# KiCad board PCB.kicad_pcb (continued)
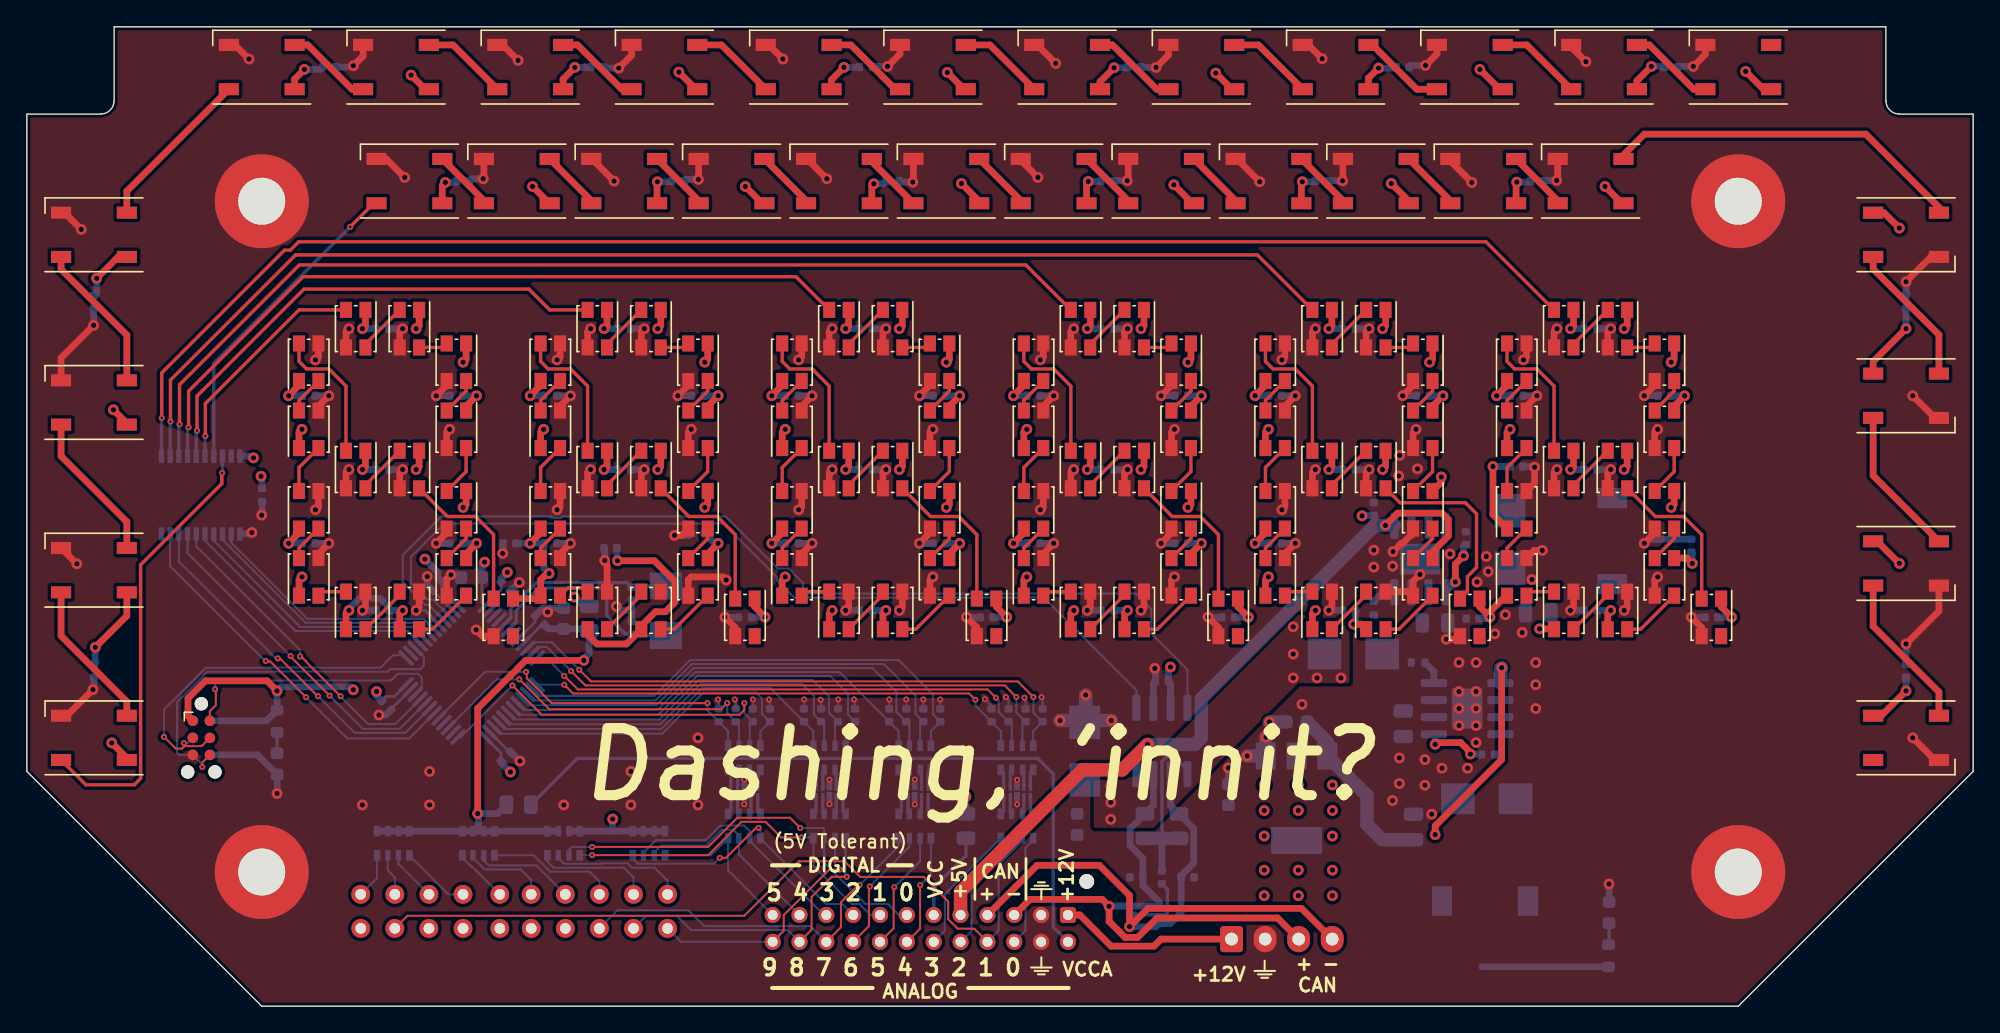
[diagram p0: board, top side]
## Footprints (pads in the part's own frame, mm; a bottom-side part is the same pattern mirrored in y, then rotated) (continued)
TestPoint_2Pads_Pitch2.54mm_Drill0.8mm
  round 1.4 hole 0.8: 1(0,0) 2(2.54,0)
XL-3528RGBW-WS2812B
  rect 1.2x0.9 smd: 1(-1.4,0.725) 2(1.4,0.725) 3(1.4,-0.725) 4(-1.4,-0.725)

## Nets
+3.3VA: C11.1 C12.1 FB1.2 R8.1 RN13.5 RN13.6 RN13.7 RN13.8 RN16.5 RN16.6 RN16.7 RN16.8 RN19.5 RN19.6 U4.9
+3V3: C5.1 C6.1 C7.1 C8.1 C9.1 C10.1 C17.1 FB1.1 J1.1 J3.1 R4.1 R7.1 RN19.7 RN19.8 RN22.5 RN22.6 RN22.7 RN22.8 U1.2 U4.1 U4.24 U4.36 U4.48 U5.3
+5V: C1.1 C2.1 C3.1 C4.1 C13.1 C20.1 C21.1 C22.1 C23.1 C24.1 C25.1 C42.1 C43.1 C44.1 C45.1 C46.1 C47.1 C48.1 C99.1 D3.1 D4.1 D8.1 D9.1 D10.1 D11.1 D12.1 D13.1 D14.1 D15.1 D16.1 D17.1 D18.1 D19.1 D20.1 D21.1 D22.1 D24.1 D25.1 D26.1 D27.1 D28.1 D29.1 D30.1 D31.1 D32.1 D33.1 D34.1 D35.1 D36.1 D37.1 DD23.1 L1.2 R3.1 U1.3 U2.5 U3.20
+5VE: C49.1 C50.1 C51.1 C52.1 C53.1 C54.1 C55.1 C56.1 C57.1 C58.1 C59.1 C60.1 C61.1 C62.1 C63.1 C64.1 C65.1 C66.1 C67.1 C68.1 C69.1 C70.1 C71.1 C72.1 C73.1 C74.1 C75.1 C76.1 C77.1 C78.1 C79.1 C80.1 C81.1 C82.1 C83.1 C84.1 C85.1 C86.1 C87.1 C88.1 C89.1 C90.1 C91.1 C92.1 C93.1 C94.1 C95.1 C96.1 C102.1 D38.1 D39.1 D40.1 D41.1 D42.1 D43.1 D44.1 D45.1 D46.1 D47.1 D48.1 D49.1 D50.1 D51.1 D52.1 D53.1 D54.1 D55.1 D56.1 D57.1 D58.1 D59.1 D60.1 D61.1 D62.1 D63.1 D64.1 D65.1 D66.1 D67.1 D68.1 D69.1 D70.1 D71.1 D72.1 D73.1 D74.1 D75.1 D76.1 D77.1 D78.1 D79.1 D80.1 D81.1 D82.1 D83.1 D84.1 D85.1 D86.1 D87.1 D88.1 D89.1 D90.1 D91.1 D92.1 D93.1 D94.1 D95.1 D96.1 D97.1 D98.1 D99.1 D100.1 D101.1 D102.1 D103.1 D104.1 D105.1 D106.1 D107.1 D108.1 D109.1 D110.1 D111.1 D112.1 D113.1 D114.1 D115.1 D116.1 D117.1 D118.1 D119.1 D120.1 D121.1 D122.1 D123.1 D124.1 D125.1 D126.1 D127.1 J2.9 L2.2 U6.5
+12V: F1.1 J2.1 J4.1
+12V_Fused: C97.1 C100.1 D2.1 R1.1 R2.1 U2.2 U2.3 U6.2 U6.3
GND: C1.2 C2.2 C3.2 C4.2 C5.2 C6.2 C7.2 C8.2 C9.2 C10.2 C11.2 C12.2 C13.2 C14.2 C15.2 C16.1 C17.2 C19.2 C20.2 C21.2 C22.2 C23.2 C24.2 C25.2 C26.2 C27.2 C28.2 C29.2 C30.2 C31.2 C32.2 C33.2 C34.2 C35.2 C36.2 C37.2 C38.2 C39.2 C40.2 C41.2 C42.2 C43.2 C44.2 C45.2 C46.2 C47.2 C48.2 C49.2 C50.2 C51.2 C52.2 C53.2 C54.2 C55.2 C56.2 C57.2 C58.2 C59.2 C60.2 C61.2 C62.2 C63.2 C64.2 C65.2 C66.2 C67.2 C68.2 C69.2 C70.2 C71.2 C72.2 C73.2 C74.2 C75.2 C76.2 C77.2 C78.2 C79.2 C80.2 C81.2 C82.2 C83.2 C84.2 C85.2 C86.2 C87.2 C88.2 C89.2 C90.2 C91.2 C92.2 C93.2 C94.2 C95.2 C96.2 C97.2 C99.2 C100.2 C102.2 D1.1 D3.3 D4.3 D5.1 D6.1 D8.3 D9.3 D10.3 D11.3 D12.3 D13.3 D14.3 D15.3 D16.3 D17.3 D18.3 D19.3 D20.3 D21.3 D22.3 D24.3 D25.3 D26.3 D27.3 D28.3 D29.3 D30.3 D31.3 D32.3 D33.3 D34.3 D35.3 D36.3 D37.3 D38.3 D39.3 D40.3 D41.3 D42.3 D43.3 D44.3 D45.3 D46.3 D47.3 D48.3 D49.3 D50.3 D51.3 D52.3 D53.3 D54.3 D55.3 D56.3 D57.3 D58.3 D59.3 D60.3 D61.3 D62.3 D63.3 D64.3 D65.3 D66.3 D67.3 D68.3 D69.3 D70.3 D71.3 D72.3 D73.3 D74.3 D75.3 D76.3 D77.3 D78.3 D79.3 D80.3 D81.3 D82.3 D83.3 D84.3 D85.3 D86.3 D87.3 D88.3 D89.3 D90.3 D91.3 D92.3 D93.3 D94.3 D95.3 D96.3 D97.3 D98.3 D99.3 D100.3 D101.3 D102.3 D103.3 D104.3 D105.3 D106.3 D107.3 D108.3 D109.3 D110.3 D111.3 D112.3 D113.3 D114.3 D115.3 D116.3 D117.3 D118.3 D119.3 D120.3 D121.3 D122.3 D123.3 D124.3 D125.3 D126.3 D127.3 D128.2 D129.2 DD23.3 H1.1 H2.1 H3.1 H4.1 J1.5 J2.3 J2.4 J3.5 J4.2 U1.1 U2.7 U2.9 U3.1 U3.10 U3.19 U4.8 U4.23 U4.35 U4.44 U4.47 U5.2 U5.8 U6.7 U6.9 U17.3 U17.8 U18.3 U18.8 U19.3 U19.8 U20.3 U20.8
/IO/BTN_0_PIN: J2.13 RN19.2 RN20.7
/IO/BTN_1_PIN: J2.15 RN19.1 RN20.8
/IO/BTN_2_PIN: J2.17 RN22.4 RN23.5
/IO/BTN_3_PIN: J2.19 RN22.3 RN23.6
/IO/BTN_4_PIN: J2.21 RN22.2 RN23.7
/IO/BTN_5_PIN: J2.23 RN22.1 RN23.8
/IO/DIAL0_PIN: J2.6 JP1.2 RN14.5
/IO/DIAL1_PIN: J2.8 JP2.2 RN14.6
/IO/DIAL2_PIN: J2.10 JP3.2 RN14.7
/IO/DIAL3_PIN: J2.12 JP4.2 RN14.8
/IO/DIAL4_PIN: J2.14 JP5.2 RN17.5
/IO/DIAL5_PIN: J2.16 JP6.2 RN17.6
/IO/DIAL6_PIN: J2.18 JP7.2 RN17.7
/IO/DIAL7_PIN: J2.20 JP8.2 RN17.8
/IO/DIAL8_PIN: J2.22 JP9.2 RN20.5
/IO/DIAL9_PIN: J2.24 JP10.2 RN20.6
/Microcontroller/HSE_IN: C15.1 U4.6 Y1.2
/Microcontroller/HSE_OUT: C14.1 U4.5 Y1.1
/WS2812/Digit 0/DATA_OUT: D67.2
/WS2812/Digit 0/DP: D62.2 D67.4
/WS2812/Digit 1/DATA_OUT: D52.2
/WS2812/Digit 1/DP: D47.2 D52.4
/WS2812/Digit 2/DATA_OUT: D82.2
/WS2812/Digit 2/DP: D77.2 D82.4
/WS2812/Digit 3/DATA_OUT: D97.2
/WS2812/Digit 3/DP: D92.2 D97.4
/WS2812/Digit 4/DATA_OUT: D112.2
/WS2812/Digit 4/DP: D107.2 D112.4
/WS2812/Digit 5/DATA_OUT: D127.2
/WS2812/Digit 5/DP: D122.2 D127.4
/WS2812/Shift Lights/DATA_IN: D18.2 D26.4
/WS2812/Shift Lights/DATA_OUT: D37.2
/WS2812/Tachometer/DATA_OUT: D17.2 D22.4
BTN0: C35.1 RN21.2 U4.20
BTN1: C34.1 RN21.1 U4.21
BTN2: C41.1 RN24.4 U4.22
BTN3: C40.1 RN24.3 U4.25
BTN4: C39.1 RN24.2 U4.27
BTN5: C38.1 RN24.1 U4.29
CAN+: C16.2 D7.1 J2.5 J4.3 R5.1 U5.7
CAN-: C19.1 D7.2 J2.7 J4.4 R6.2 U5.6
CANRX: U4.45 U5.4
CANTX: U4.46 U5.1
DIAL0: C29.1 RN15.4 U4.10
DIAL1: C28.1 RN15.3 U4.11
DIAL2: C27.1 RN15.2 U4.12
DIAL3: C26.1 RN15.1 U4.13
DIAL4: C33.1 RN18.4 U4.14
DIAL5: C32.1 RN18.3 U4.15
DIAL6: C31.1 RN18.2 U4.16
DIAL7: C30.1 RN18.1 U4.17
DIAL8: C37.1 RN21.4 U4.18
DIAL9: C36.1 RN21.3 U4.19
LED_DATA_0: D21.4 U3.18
LED_DATA_1: D3.4 U3.17
LED_DATA_2: D57.4 U3.16
LED_DATA_3: D42.4 U3.15
LED_DATA_3V3_0: U3.2 U4.43
LED_DATA_3V3_1: U3.3 U4.42
LED_DATA_3V3_2: U3.4 U4.41
LED_DATA_3V3_3: U3.5 U4.40
LED_DATA_3V3_4: U3.6 U4.33
LED_DATA_3V3_5: U3.7 U4.32
LED_DATA_3V3_6: U3.8 U4.31
LED_DATA_3V3_7: U3.9 U4.30
LED_DATA_4: D72.4 U3.14
LED_DATA_5: D87.4 U3.13
LED_DATA_6: D102.4 U3.12
LED_DATA_7: D117.4 U3.11
SWCLK: J1.4 J3.4 U4.37
SWDIO: J1.2 J3.2 U4.34
SWO: J1.6 J3.6 U4.39
Net-(C18-Pad1): C18.1 D7.3
Net-(C18-Pad2): C18.2 R5.2 R6.1 U5.5
Net-(C98-Pad1): C98.1 U2.1
Net-(C98-Pad2): C98.2 D128.1 L1.1 U2.8
Net-(C101-Pad1): C101.1 U6.1
Net-(C101-Pad2): C101.2 D129.1 L2.1 U6.8
Net-(D1-Pad2): D1.2 D2.2 F1.2
Net-(D3-Pad2): D3.2 D4.4
Net-(D4-Pad2): D4.2 D8.4
Net-(D5-Pad2): D5.2 R3.2
Net-(D6-Pad2): D6.2 R4.2
Net-(D8-Pad2): D8.2 D9.4
Net-(D10-Pad2): D10.2 D11.4
Net-(D10-Pad4): D9.2 D10.4
Net-(D11-Pad2): D11.2 D12.4
Net-(D12-Pad2): D12.2 D13.4
Net-(D13-Pad2): D13.2 D14.4
Net-(D14-Pad2): D14.2 D15.4
Net-(D15-Pad2): D15.2 D16.4
Net-(D16-Pad2): D16.2 D17.4
Net-(D18-Pad4): D18.4 D19.2
Net-(D19-Pad4): D19.4 D20.2
Net-(D20-Pad4): D20.4 D21.2
Net-(D22-Pad2): D22.2 DD23.4
Net-(D24-Pad2): D24.2 D25.4
Net-(D24-Pad4): D24.4 DD23.2
Net-(D26-Pad2): D26.2 D27.4
Net-(D27-Pad2): D27.2 D28.4
Net-(D28-Pad2): D28.2 D29.4
Net-(D29-Pad2): D29.2 D30.4
Net-(D30-Pad2): D30.2 D31.4
Net-(D31-Pad2): D31.2 D32.4
Net-(D32-Pad2): D32.2 D33.4
Net-(D33-Pad2): D33.2 D34.4
Net-(D34-Pad2): D34.2 D35.4
Net-(D35-Pad2): D35.2 D36.4
Net-(D36-Pad2): D36.2 D37.4
Net-(D38-Pad2): D38.2 D44.4
Net-(D38-Pad4): D38.4 D39.2
Net-(D39-Pad4): D39.4 D40.2
Net-(D40-Pad4): D40.4 D41.2
Net-(D41-Pad4): D41.4 D43.2
Net-(D42-Pad2): D42.2 D45.4
Net-(D43-Pad4): D43.4 D46.2
Net-(D44-Pad2): D44.2 D47.4
Net-(D45-Pad2): D45.2 D48.4
Net-(D46-Pad4): D46.4 D51.2
Net-(D48-Pad2): D48.2 D49.4
Net-(D49-Pad2): D49.2 D50.4
Net-(D50-Pad2): D50.2 D51.4
Net-(D53-Pad2): D53.2 D59.4
Net-(D53-Pad4): D53.4 D54.2
Net-(D54-Pad4): D54.4 D55.2
Net-(D55-Pad4): D55.4 D56.2
Net-(D56-Pad4): D56.4 D58.2
Net-(D57-Pad2): D57.2 D60.4
Net-(D58-Pad4): D58.4 D61.2
Net-(D59-Pad2): D59.2 D62.4
Net-(D60-Pad2): D60.2 D63.4
Net-(D61-Pad4): D61.4 D66.2
Net-(D63-Pad2): D63.2 D64.4
Net-(D64-Pad2): D64.2 D65.4
Net-(D65-Pad2): D65.2 D66.4
Net-(D68-Pad2): D68.2 D74.4
Net-(D68-Pad4): D68.4 D69.2
Net-(D69-Pad4): D69.4 D70.2
Net-(D70-Pad4): D70.4 D71.2
Net-(D71-Pad4): D71.4 D73.2
Net-(D72-Pad2): D72.2 D75.4
Net-(D73-Pad4): D73.4 D76.2
Net-(D74-Pad2): D74.2 D77.4
Net-(D75-Pad2): D75.2 D78.4
Net-(D76-Pad4): D76.4 D81.2
Net-(D78-Pad2): D78.2 D79.4
Net-(D79-Pad2): D79.2 D80.4
Net-(D80-Pad2): D80.2 D81.4
Net-(D83-Pad2): D83.2 D89.4
Net-(D83-Pad4): D83.4 D84.2
Net-(D84-Pad4): D84.4 D85.2
Net-(D85-Pad4): D85.4 D86.2
Net-(D86-Pad4): D86.4 D88.2
Net-(D87-Pad2): D87.2 D90.4
Net-(D88-Pad4): D88.4 D91.2
Net-(D89-Pad2): D89.2 D92.4
Net-(D90-Pad2): D90.2 D93.4
Net-(D91-Pad4): D91.4 D96.2
Net-(D93-Pad2): D93.2 D94.4
Net-(D94-Pad2): D94.2 D95.4
Net-(D95-Pad2): D95.2 D96.4
Net-(D98-Pad4): D98.4 D99.2
Net-(D100-Pad2): D99.4 D100.2
Net-(D100-Pad4): D100.4 D101.2
Net-(D101-Pad4): D101.4 D103.2
Net-(D102-Pad2): D102.2 D105.4
Net-(D103-Pad4): D103.4 D106.2
Net-(D104-Pad2): D104.2 D107.4
Net-(D104-Pad4): D98.2 D104.4
Net-(D105-Pad2): D105.2 D108.4
Net-(D106-Pad4): D106.4 D111.2
Net-(D108-Pad2): D108.2 D109.4
Net-(D109-Pad2): D109.2 D110.4
Net-(D110-Pad2): D110.2 D111.4
Net-(D113-Pad2): D113.2 D119.4
Net-(D113-Pad4): D113.4 D114.2
Net-(D114-Pad4): D114.4 D115.2
Net-(D115-Pad4): D115.4 D116.2
Net-(D116-Pad4): D116.4 D118.2
Net-(D117-Pad2): D117.2 D120.4
Net-(D118-Pad4): D118.4 D121.2
Net-(D119-Pad2): D119.2 D122.4
Net-(D120-Pad2): D120.2 D123.4
Net-(D121-Pad4): D121.4 D126.2
Net-(D123-Pad2): D123.2 D124.4
Net-(D124-Pad2): D124.2 D125.4
Net-(D125-Pad2): D125.2 D126.4
Net-(J2-Pad2): J2.2 R8.2
Net-(J2-Pad11): J2.11 R7.2
Net-(JP1-Pad1): JP1.1 RN13.4
Net-(JP2-Pad1): JP2.1 RN13.3
Net-(JP3-Pad1): JP3.1 RN13.2
Net-(JP4-Pad1): JP4.1 RN13.1
Net-(JP5-Pad1): JP5.1 RN16.4
Net-(JP6-Pad1): JP6.1 RN16.3
Net-(JP7-Pad1): JP7.1 RN16.2
Net-(JP8-Pad1): JP8.1 RN16.1
Net-(JP9-Pad1): JP9.1 RN19.4
Net-(JP10-Pad1): JP10.1 RN19.3
Net-(R1-Pad2): R1.2 U2.4
Net-(R2-Pad2): R2.2 U6.4
Net-(RN14-Pad1): RN14.1 U17.5
Net-(RN14-Pad2): RN14.2 U17.4
Net-(RN14-Pad3): RN14.3 U17.2
Net-(RN14-Pad4): RN14.4 U17.1
Net-(RN15-Pad5): RN15.5 U17.10
Net-(RN15-Pad6): RN15.6 U17.9
Net-(RN15-Pad7): RN15.7 U17.7
Net-(RN15-Pad8): RN15.8 U17.6
Net-(RN17-Pad1): RN17.1 U18.5
Net-(RN17-Pad2): RN17.2 U18.4
Net-(RN17-Pad3): RN17.3 U18.2
Net-(RN17-Pad4): RN17.4 U18.1
Net-(RN18-Pad5): RN18.5 U18.10
Net-(RN18-Pad6): RN18.6 U18.9
Net-(RN18-Pad7): RN18.7 U18.7
Net-(RN18-Pad8): RN18.8 U18.6
Net-(RN20-Pad1): RN20.1 U19.5
Net-(RN20-Pad2): RN20.2 U19.4
Net-(RN20-Pad3): RN20.3 U19.2
Net-(RN20-Pad4): RN20.4 U19.1
Net-(RN21-Pad5): RN21.5 U19.10
Net-(RN21-Pad6): RN21.6 U19.9
Net-(RN21-Pad7): RN21.7 U19.7
Net-(RN21-Pad8): RN21.8 U19.6
Net-(RN23-Pad1): RN23.1 U20.5
Net-(RN23-Pad2): RN23.2 U20.4
Net-(RN23-Pad3): RN23.3 U20.2
Net-(RN23-Pad4): RN23.4 U20.1
Net-(RN24-Pad5): RN24.5 U20.10
Net-(RN24-Pad6): RN24.6 U20.9
Net-(RN24-Pad7): RN24.7 U20.7
Net-(RN24-Pad8): RN24.8 U20.6

Pads without a net: D25 2; J1 3; J3 3; U2 6; U4 2 3 4 7 26 28 38; U6 6

## Via types
v1: diameter 0.8, hole 0.4, Top to Bottom, 349 vias
v2: diameter 0.45, hole 0.2, Top to Bottom, 70 vias

## Routing (per net, layer and track width the routed paths; a pad name or vN(x,y) marks a point on that pad's centre or on a via; arc(x,y) is an arc through that point)
+3.3VA: length 42.2
  Top w0.5: v1(41.49,25.77) 37.16,25.77 36.57,25.18 36.57,25.17 36.03,24.62 36.01,24.62 33.59,22.2 v1(33.59,14.36)
  Bottom w0.2: U4.9 38.37,28.43
  Bottom w0.5: FB1.2 41.89,26.29 41.64,26.04 41.64,25.92 v1(41.49,25.77) ; 41.76,28.12 C11.1 38.86,28.12 C12.1 ; R8.1 35.06,14.36 v1(33.59,14.36) 33.65,14.3 33.65,13.05 ; 33.65,13.05 RN19.6 ; 33.65,13.05 RN13.5
+3V3: length 53.9
  Top w0.5: v1(18.64,23.5) 17.89,24.25 13.3,24.25 12,22.95 12,21.63 J1.1
  In2.Cu w0.5: 30.1,32.85 29.65,33.3 v1(29.65,33.33)
  Bottom w0.2: C10.1 35.33,18.87 U4.24 ; 28.24,23.95 27.39,23.09 26.78,23.09 C9.1 ; U4.48 30.93,31.05 C7.1 ; C6.1 33.91,30.07 U4.1 35.33,31.05 C8.1
  Bottom w0.5: C10.1 35.33,18.15 v1(36.03,17.46) ; J3.1 17.85,21.27 R4.1 v1(18.64,23.5) 18.94,23.8 24.1,23.8 v1(24.32,23.58) ; v1(34.1,33.1) 33.91,32.91 C6.1 ; 43.63,13.05 43.63,13.94 v1(43.65,13.95) ; 43.63,13.05 RN19.7 ; 43.63,13.05 RN22.8 ; U5.3 85.2,24.06 C17.1 85.04,25.12 v1(85.2,25.28) ; v1(26.05,23.45) 26.05,23.14 C9.1 ; C8.1 35.33,31.87 v1(35.8,32.34) ; v1(40.78,30.5) 40.85,30.5 41.54,29.81 ; v1(29.65,33.33) 29.66,33.33 30.62,32.36 30.62,31.95 C7.1 ; R7.1 v1(69.96,15.63)
  vias: v1(92.19,16.49) v1(92.19,14.59) v1(92.19,12.68) v1(92.19,10.14) v1(92.19,8.24) v1(94.72,16.49) v1(94.72,14.59) v1(94.72,10.14) v1(94.72,8.24) v1(97.26,16.49) v1(97.26,14.59) v1(97.26,12.68) v1(97.26,10.14) v1(97.26,8.24)
+5V: length 128.2
  Top w0.5: v1(139.5,33) 137.85,34.65 D24.1 ; D25.1 138.15,21.65 v1(140,23.5) ; D21.1 7.45,18.5 v1(6.33,19.62) ; v1(53.53,61.1) 54.78,59.85 D9.1 ; D31.1 69.82,68.35 v1(68.57,69.6) ; DD23.1 137.55,48.05 v1(140,50.5) ; v1(117.57,61.1) 118.82,59.85 D17.1 ; D32.1 79.95,68.9 v1(81,69.95) ; v1(60.88,69.97) 59.95,69.05 D30.1 ; D34.1 99.95,69.17 v1(100.7,69.92) ; v1(40.83,69.97) 39.95,69.1 D28.1 ; D15.1 102.95,60.03 v1(101.65,61.33) ; D8.1 46.95,61.42 v1(46.97,61.45) ; v1(37.67,61.1) 38.92,59.85 D4.1 ; v1(20.67,69.83) 19.95,69.1 D26.1 ; D10.1 62.95,61.15 v1(63.1,61.3) ; v1(111,61.42) 110.95,61.38 D16.1 ; v1(88.57,69.55) 89.78,68.35 D33.1 ; v1(128.05,69.67) 129.38,68.35 D37.1 ; D27.1 29.67,68.35 v1(28.62,69.4) ; v1(31.17,61.4) 30.95,61.17 D3.1 ; v1(69.62,61.33) 70.95,60 D11.1 ; D35.1 109.72,68.35 v1(108.25,69.83) ; v1(104.92,12.79) 104.92,13.43 109.87,18.39 v1(109.87,25.23) ; v1(5.2,54.25) 6.8,55.85 D18.1 ; v1(6.45,44.45) 7.45,43.45 D19.1 ; v1(121.03,70.05) 119.95,68.97 D36.1 ; v1(48.58,69.62) 49.85,68.35 D29.1 ; D14.1 94.95,61.38 v1(95.03,61.45) ; D20.1 7.45,29.1 v1(5.1,26.75) ; v1(79.07,61.47) 78.95,61.35 D12.1 ; v1(85.45,61.22) 86.82,59.85 D13.1 ; v1(139.5,58) 138.35,59.15 D22.1
  Bottom w0.5: v1(60.88,69.97) 62,69.97 C45.1 ; v1(121.03,70.05) 121.97,70.05 C48.1 ; C46.1 81.97,69.95 v1(81,69.95) ; v1(140,50.5) C42.1 ; v1(111,61.42) 111.94,61.42 C22.1 ; C21.1 95.97,61.45 v1(95.03,61.45) ; v1(40.83,69.97) 42,69.97 C44.1 ; C24.1 5.1,25.58 v1(5.1,26.75) ; C2.1 47.97,61.45 v1(46.97,61.45) ; R3.1 108.4,2.93 ; v1(20.67,69.83) 21.84,69.83 C43.1 ; v1(79.07,61.47) 80,61.47 C20.1 ; U3.20 16.76,41 v1(16.89,40.87) ; C47.1 101.94,69.92 v1(100.7,69.92) ; C1.1 31.92,61.4 v1(31.17,61.4) ; v1(63.1,61.3) 63.82,61.3 C3.1 ; C23.1 5.2,53.18 v1(5.2,54.25) ; v1(17.45,39.5) 17.52,39.42 C13.1 ; v1(140,23.5) C25.1
  Bottom w1: 95.37,21.19 96.9,19.67 U1.3 99.84,15.71 99.84,13.55 100.98,12.41 C99.1 ; 109.81,24.09 109.81,25.17 v1(109.87,25.23)
+5VE: length 260.1
  Top w0.5: D42.1 43.22,50.72 v1(43,50.5) ; D109.1 104.72,44.72 v1(105.5,45.5) ; D103.1 95.78,29.28 v1(96,29.5) ; D64.1 32.72,44.72 v1(33.5,45.5) ; D70.1 56.28,35.28 v1(55.5,34.5) ; D62.1 29.22,40.22 v1(29,40) ; D38.1 38.28,46.28 v1(37.5,45.5) ; D71.1 56.28,31.78 v1(56.5,32) ; D120.1 119.22,50.72 v1(119,50.5) ; D114.1 110.28,42.78 v1(110.5,43) ; D102.1 97.22,50.72 v1(97,50.5) ; v1(38.5,43) 38.28,42.78 D39.1 ; v1(51.5,45.5) 50.72,44.72 D49.1 ; D113.1 110.28,46.28 v1(109.5,45.5) ; v1(124.07,33) 123.68,33.4 D126.1 ; v1(68.5,37.17) 68.72,37.4 D80.1 ; v1(61,50.5) 61.22,50.72 D72.1 ; D121.1 117.78,29.28 v1(118,29.5) ; v1(28,29.5) 27.78,29.28 D61.1 ; v1(38.91,32.25) 38.75,32.25 38.28,31.78 D41.1 38.06,30.38 D67.1 ; D112.1 108.22,29.78 v1(109,29) 109,29.4 110.2,30.6 D116.1 ; v1(32.5,48) 32.72,48.22 D63.1 ; D76.1 63.78,29.28 v1(64,29.5) ; D44.1 43.22,40.22 v1(43,40) ; v1(92.5,43) 92.28,42.78 D99.1 ; D77.1 65.22,40.22 v1(65,40) ; D55.1 20.28,35.28 v1(19.5,34.5) ; v1(65,50.5) 65.22,50.72 D75.1 ; v1(112.7,28.12) 113.75,28.12 D118.1 ; v1(79,40) 79.22,40.22 D89.1 ; D88.1 77.78,29.28 v1(78,29.5) ; v1(74.5,43) 74.28,42.78 D84.1 ; D101.1 92.28,31.78 v1(92.5,32) ; D66.1 32.72,33.72 v1(33.5,34.5) ; v1(91,29) 90.22,29.78 D97.1 ; v1(60,29.5) 59.78,29.28 D73.1 ; D115.1 109.22,36.65 v1(109.22,40.22) ; v1(55.5,45.5) 56.28,46.28 D68.1 ; D90.1 83.22,50.72 v1(83,50.5) ; v1(25,50.5) 25.22,50.72 D57.1 ; v1(50.5,48) 50.72,48.22 D48.1 ; D40.1 38.28,35.28 v1(37.5,34.5) ; D65.1 32.72,37.4 v1(32.5,37.17) ; v1(122.5,37.17) 122.72,37.4 D125.1 ; D122.1 119.22,40.22 v1(119,40) ; v1(73,29) 72.22,29.78 D82.1 ; D58.1 23.78,29.28 v1(24,29.5) ; D47.1 47.22,40.22 v1(47,40) ; D110.1 105.38,39.05 v1(105.38,39.45) ; D124.1 122.72,44.72 v1(123.5,45.5) ; v1(55,29) 54.22,29.78 D52.1 ; D51.1 50.72,33.72 v1(51.5,34.5) ; D95.1 86.72,37.4 v1(86.5,37.17) ; D107.1 101.22,40.22 v1(101,40) ; v1(44,33.2) 46.75,33.2 48.28,31.67 48.28,30.1 47.58,29.4 46.83,29.4 45.78,28.35 D46.1 44.67,27 42.47,27 41.78,27.7 D43.1 ; D106.1 99.4,28.47 v1(98.85,28.47) ; v1(20.5,43) 20.28,42.78 D54.1 ; D81.1 68.72,33.72 v1(69.5,34.5) ; v1(87.5,45.5) 86.72,44.72 D94.1 ; v1(86.5,48) 86.72,48.22 D93.1 ; v1(69.5,45.5) 68.72,44.72 D79.1 ; v1(97,40) 97.22,40.22 D104.1 ; v1(83,40) 83.22,40.22 D92.1 ; v1(122.5,48) 122.72,48.22 D123.1 ; v1(56.5,43) 56.28,42.78 D69.1 ; v1(74.5,32) 74.28,31.78 D86.1 ; v1(50.5,37.17) 50.72,37.4 D50.1 ; v1(61,40) 61.22,40.22 D74.1 ; D98.1 92.28,46.28 v1(91.5,45.5) ; D117.1 115.22,50.72 v1(115,50.5) ; D87.1 79.22,50.72 v1(79,50.5) ; D111.1 104.72,33.88 105.9,35.05 105.9,36.28 105.43,36.75 102.12,36.75 v1(101.21,35.83) ; v1(101,50.5) 101.22,50.72 D105.1 ; D53.1 20.28,46.28 v1(19.5,45.5) ; D60.1 29.22,50.72 v1(29,50.5) ; D56.1 20.28,31.78 v1(20.5,32) ; v1(47,50.5) 47.22,50.72 D45.1 ; D119.1 115.22,40.22 v1(115,40) ; v1(68.5,48) 68.72,48.22 D78.1 ; D59.1 25.22,40.22 v1(25,40) ; v1(91.5,34.5) 92.28,35.28 D100.1 ; v1(87.5,34.5) 86.72,33.72 D96.1 ; D83.1 74.28,46.28 v1(73.5,45.5) ; v1(82,29.5) 81.78,29.28 D91.1 ; D85.1 74.28,35.28 v1(73.5,34.5) ; D127.1 126.22,29.78 v1(127,29) ; D108.1 104.72,48.22 v1(104.5,48)
  Top w1: J2.9 69.56,8.54 78.63,17.61 81.6,17.61 v1(83.49,19.51)
  Bottom w0.25: 100.42,35.83 100.35,35.9 C83.1
  Bottom w0.5: v1(98.85,28.47) 98.98,28.61 C85.1 ; v1(61,50.5) C70.1 ; v1(97,50.5) C86.1 ; v1(55,29) 54.98,28.98 C49.1 ; v1(51.5,34.5) 51.24,34.5 C51.1 ; v1(25,50.5) C62.1 ; v1(44,33.2) 43.95,33.25 C53.1 ; v1(91,29) 90.98,28.98 C73.1 ; v1(109,29) 108.89,28.89 C81.1 ; v1(38.91,32.25) 38.52,32.64 C52.1 v1(37.5,34.5) C57.1 ; v1(115,40) C90.1 ; v1(43,50.5) C54.1 ; v1(33.5,34.5) C59.1 ; v1(24,29.5) 24,29.63 24.77,30.4 26.32,30.4 26.98,29.74 C61.1 v1(28,29.5) ; v1(87.5,34.5) C75.1 ; v1(118,29.5) C93.1 ; v1(25,40) C58.1 ; v1(73.5,45.5) C80.1 ; v1(87.5,45.5) C79.1 ; v1(61,40) C66.1 ; v1(51.5,45.5) C55.1 ; v1(99.47,36.55) 99.5,36.57 C83.1 ; v1(123.5,45.5) C95.1 ; C76.1 v1(73.5,34.5) ; v1(91.5,45.5) C88.1 ; v1(82,29.5) C77.1 ; C84.1 v1(91.5,34.5) ; v1(105.5,45.5) C87.1 ; v1(43,40) C50.1 ; v1(109.5,45.5) C96.1 ; C60.1 v1(19.5,34.5) ; C68.1 v1(55.5,34.5) ; C91.1 124.07,33.77 v1(124.07,33) ; v1(55.5,45.5) C72.1 ; v1(69.5,45.5) C71.1 ; v1(127,29) 126.98,28.98 C89.1 ; v1(79,50.5) C78.1 ; v1(73,29) 72.98,28.98 C65.1 ; v1(33.5,45.5) C63.1 ; v1(37.5,45.5) C56.1 ; v1(115,50.5) C94.1 ; v1(97,40) C82.1 ; v1(109.22,40.22) C92.1 ; v1(69.5,34.5) C67.1 ; v1(64,29.5) C69.1 ; v1(19.5,45.5) C64.1 ; v1(79,40) C74.1
  Bottom w1: 101.87,35.83 v1(101.21,35.83) 100.42,35.83 87.5,22.92 87.5,20 87.01,19.51 v1(83.49,19.51)
+12V: length 13.4
  Top w0.5: J2.1 78.45,6.8 80.78,4.47 83.97,4.47 84.5,5 J4.1
GND: length 339.5
  Top w0.5: v1(66.5,45.5) 67.28,46.28 D78.3 ; v1(113.97,61.55) 114.05,61.62 D17.3 ; D34.3 95.47,71.65 v1(96.5,70.62) ; D64.3 31.28,42.78 v1(31.5,43) ; D112.3 106.54,27.35 v1(105.75,27.35) ; D96.3 85.28,31.78 v1(85.5,32) ; D15.3 98.05,61.55 v1(98.03,61.53) ; v1(120.5,45.5) 121.28,46.28 D123.3 ; v1(114,40) 113.78,39.78 D119.3 ; v1(46,50.5) 45.78,50.28 D45.3 ; v1(111.5,48.17) 111.72,48.4 D113.3 ; D61.3 29.22,29.72 v1(29,29.5) ; v1(58.5,34.5) 57.72,33.72 D71.3 ; v1(4.97,50.75) 2.55,48.33 D19.3 ; D28.3 35.45,71.65 v1(36.6,70.5) ; DD23.3 142.15,43.85 v1(140.5,45.5) ; D49.3 49.28,42.78 v1(49.5,43) ; v1(96,50.5) 95.78,50.28 D102.3 ; D21.3 2.97,21.65 v1(4.92,23.6) ; v1(140.5,20) 142.15,18.35 D25.3 ; v1(48.25,35.09) 48.77,35.09 D50.3 ; v1(121.5,43) 121.28,42.78 D124.3 ; v1(48.5,45.5) 49.28,46.28 D48.3 ; D106.3 102.97,30.9 D111.3 103.28,31.67 v1(103.78,32.18) ; v1(93.5,48.17) 93.72,48.4 D98.3 ; D68.3 57.72,48.4 v1(57.5,48.17) ; v1(79,29.5) 79.22,29.72 D88.3 ; D55.3 21.72,37.22 v1(21.5,37) ; D69.3 57.72,44.72 v1(58.5,45.5) ; v1(78,50.5) 77.78,50.28 D87.3 ; D30.3 55.28,71.65 v1(56.32,70.6) ; D118.3 115.22,29.72 v1(115,29.5) ; D66.3 31.28,31.84 v1(31.59,32.15) ; D29.3 45.05,70.88 v1(44.1,69.92) ; D33.3 85.05,70.9 v1(84.12,69.97) ; D101.3 93.72,33.72 v1(94.5,34.5) ; v1(33.47,28.05) 33.94,27.58 D67.3 ; D95.3 85.28,35.28 v1(84.5,34.5) ; v1(39.5,48.17) 39.72,48.4 D38.3 ; v1(30.5,34.5) 31.28,35.28 D65.3 ; v1(88,29) 88.78,28.22 D97.3 ; D11.3 66.05,61.47 v1(66,61.42) ; v1(61,29.5) 61.22,29.72 D73.3 ; D27.3 25.05,70.83 v1(24.33,70.1) ; D20.3 v1(3.72,32.97) ; D91.3 83.22,29.72 v1(83,29.5) ; v1(100,40) 99.78,39.78 D107.3 ; v1(102.5,45.5) 103.28,46.28 D108.3 ; v1(21.5,48.17) 21.72,48.4 D53.3 ; v1(67.5,43) 67.28,42.78 D79.3 ; v1(28.15,61.78) 26.78,63.15 D3.3 ; D115.3 112.32,39 v1(112.32,40.17) ; v1(28,50.5) 27.78,50.28 D60.3 ; v1(124.15,70.05) 125.05,70.95 D37.3 ; v1(75.5,37) 75.72,37.22 D85.3 ; v1(114,50.5) 113.78,50.28 D117.3 ; D35.3 105.05,70.97 v1(104.2,70.12) ; v1(93.5,37) 93.72,37.22 D100.3 ; D127.3 124.78,28.22 v1(124,29) ; v1(100,50.5) 99.78,50.28 D105.3 ; v1(140,54) 141.85,55.85 D22.3 ; v1(75.32,61.78) 74.05,63.05 D12.3 ; v1(22.5,34.5) 21.72,33.72 D56.3 ; v1(57.5,37) 57.72,37.22 D70.3 ; D122.3 117.78,39.78 v1(118,40) ; v1(65,29.5) 65.22,29.72 D76.3 ; D9.3 50.05,61.65 v1(50.03,61.62) ; D93.3 85.28,46.28 v1(84.5,45.5) ; D31.3 65.05,70.97 v1(64.12,70.05) ; v1(107.65,61.4) 106.05,63 D16.3 ; D36.3 115.05,71.5 v1(116.15,70.4) ; D72.3 59.78,50.28 v1(60,50.5) ; D86.3 75.72,33.72 v1(76.5,34.5) ; v1(76.5,45.5) 75.72,44.72 D84.3 ; v1(112.5,45.5) 111.72,44.72 D114.3 ; v1(28,40) 27.78,39.78 D62.3 ; D103.3 97.22,29.72 v1(97,29.5) ; v1(16.55,70.6) 15.5,71.65 D26.3 ; v1(119,29.5) 119.22,29.72 D121.3 ; D59.3 23.78,39.78 v1(24,40) ; D81.3 67.28,31.78 v1(67.5,32) ; v1(76.65,70.28) 75.28,71.65 D32.3 ; v1(4.05,57.9) 2.8,59.15 D18.3 ; D74.3 59.78,39.78 v1(60,40) ; D82.3 70.78,28.22 v1(70,29) ; v1(46,40) 45.78,39.78 D47.3 ; D8.3 42.1,63.15 v1(43.75,61.5) ; D52.3 52.78,28.22 v1(52,29) ; D77.3 63.78,39.78 v1(64,40) ; v1(81.97,61.53) 82.05,61.6 D13.3 ; D57.3 23.78,50.28 v1(24,50.5) ; v1(103.5,43) 103.28,42.78 D109.3 ; D40.3 39.72,37.22 v1(39.5,37) ; v1(94.5,45.5) 93.72,44.72 D99.3 ; v1(96,40) 95.78,39.78 D104.3 ; D44.3 41.78,39.78 v1(42,40) ; D51.3 49.28,31.78 49.5,32 51.86,32 v1(52.1,31.76) ; v1(82,50.5) 81.78,50.28 D90.3 ; v1(40.5,34.5) 39.72,33.72 D41.3 ; v1(118,50.5) 117.78,50.28 D120.3 ; D92.3 81.78,39.78 v1(82,40) ; v1(30.5,45.5) 31.28,46.28 D63.3 ; v1(22.5,45.5) 21.72,44.72 D54.3 ; D42.3 41.78,50.28 v1(42,50.5) ; D24.3 142.45,29.45 v1(140,27) ; D126.3 121.28,31.78 v1(121.5,32) ; D116.3 112.3,33.97 v1(112.9,33.97) ; v1(91.85,61.45) 90.15,63.15 D14.3 ; D39.3 39.72,44.72 v1(40.5,45.5) ; D83.3 75.72,48.4 v1(75.5,48.17) ; D43.3 43.22,32.84 43.2,32.87 43.2,33.08 v1(43.05,33.23) ; v1(85.5,43) 85.28,42.78 D94.3 ; D125.3 121.28,35.28 v1(120.5,34.5) ; v1(78,40) 77.78,39.78 D89.3 ; v1(101.78,33.88) 102.4,34.5 102.5,34.5 103.28,35.28 D110.3 ; D4.3 34.05,61.72 v1(34,61.67) ; D58.3 25.22,29.72 v1(25,29.5) ; v1(66.5,34.5) 67.28,35.28 D80.3 ; D75.3 63.78,50.28 v1(64,50.5) ; v1(59.6,61.67) 58.12,63.15 D10.3
  Bottom w0.15: v2(64.25,22.86) 64.25,22.86 C30.2 ; v2(72.94,23.04) 73.13,22.84 C27.2 ; v2(68.05,22.86) 68.06,22.86 C33.2 ; v2(71.38,22.88) 71.87,22.39 C26.2 ; C31.2 65.51,22.86 v2(65.51,22.86) ; v2(55.29,22.86) 55.36,22.8 C41.2 ; C28.2 74.41,22.91 v2(74.32,23) ; C37.2 61.71,22.79 v2(61.63,22.86) ; C34.2 57.9,22.85 v2(57.91,22.86) ; C32.2 66.78,22.86 v2(66.79,22.86) ; C35.2 59.16,22.81 v2(59.14,22.84) ; C36.2 60.44,22.85 v2(60.45,22.86) ; v2(75.59,23.03) 75.68,22.94 C29.2 ; v2(54.09,22.86) 54.08,22.86 C40.2 ; v2(51.49,22.86) 51.55,22.81 C38.2 ; C39.2 52.81,22.79 v2(52.74,22.86)
  Bottom w0.2: 27.12,22.13 U4.35 ; U19.3 v2(59.8,15.06) ; U20.8 v2(53.45,16.89) ; v1(29,29.5) 29.67,29.5 30.72,28.45 ; U17.8 v2(73.77,16.87) ; U18.8 v2(66.15,16.89) ; U20.3 v2(53.45,15.06) ; 31.73,29.49 C7.2 ; 35.96,18.95 U4.23 ; U4.8 37.87,28.64 C12.2 ; U18.3 v2(66.15,15.04) ; U19.8 v2(59.8,16.88) ; U17.3 v2(73.77,15.04)
  Bottom w0.5: 38.43,29.67 38.51,29.67 v1(38.8,29.38) ; 38.43,29.67 C12.2 ; 38.43,29.67 39.99,29.67 ; v1(120.5,34.5) 120.81,34.81 C91.2 ; v1(28,40) C58.2 ; v1(24.33,70.1) 24.22,70 C43.2 ; C65.2 70.02,28.98 v1(70,29) ; v1(31.59,32.15) 32.14,32.15 32.36,31.94 ; v1(46,50.5) C54.2 ; v1(81.97,61.53) 81,61.53 C20.2 ; C48.2 123.03,70.05 v1(124.15,70.05) ; v1(102.5,45.5) C87.2 ; v1(84.5,34.5) C75.2 ; v1(66.5,45.5) C71.2 ; v1(36.74,18.27) 36.06,18.95 C10.2 ; C23.2 4.97,52 v1(4.97,50.75) ; U5.2 83.93,24.06 C17.2 84.09,25.12 v1(84.03,25.18) ; v1(64.12,70.05) 63.03,70.05 C45.2 ; v1(46,40) C50.2 ; v1(64,50.5) C70.2 ; v1(28,50.5) C62.2 ; C8.2 36.08,30.97 v1(36.69,31.58) ; v1(97,29.5) C85.2 ; v1(4.92,23.6) 5,23.67 C24.2 ; v1(25,29.5) C61.2 ; v1(100,50.5) C86.2 ; v1(100,40) C82.2 ; v1(120.5,45.5) C95.2 ; v1(26.22,21.7) 26.74,21.7 C9.2 ; C57.2 35.47,33.77 v1(35.45,33.75) ; C96.2 v1(112.5,45.5) ; 45.07,29.51 44.22,29.51 v1(43.92,29.8) ; 45.07,29.51 C14.2 ; 45.07,29.51 C15.2 ; v1(48.25,35.09) 49.35,35.09 C51.2 ; v1(44.1,69.92) 43.06,69.92 C44.2 ; v1(112.32,40.17) 112.28,40.22 111.46,40.22 ; C7.2 29.83,31.39 v1(29.83,32.03) ; v1(88,29) 88.02,28.98 C73.2 ; C68.2 v1(58.5,34.5) ; v1(98.03,61.53) 97,61.53 C21.2 ; v1(79,29.5) C77.2 ; C49.2 52.02,28.98 v1(52,29) ; D5.1 v1(117.87,9.1) ; v1(82,50.5) C78.2 ; v1(124,29) 124.02,28.98 C89.2 ; v1(48.5,45.5) C55.2 ; 89.52,16.54 v1(89.52,17.76) ; C47.2 103.1,70.12 v1(104.2,70.12) ; v1(64,40) C66.2 ; v1(84.5,45.5) C79.2 ; v1(66.5,34.5) C67.2 ; C80.2 v1(76.5,45.5) ; v1(140,54) C42.2 ; C56.2 v1(40.5,45.5) ; U3.1 16.65,35.2 ; C2.2 49.11,61.62 v1(50.03,61.62) ; J3.5 17.18,18.73 D6.1 v1(18.64,15.86) ; C60.2 v1(22.5,34.5) ; C3.2 65.06,61.42 v1(66,61.42) ; v1(61,29.5) C69.2 ; C64.2 v1(22.5,45.5) ; C84.2 v1(94.5,34.5) ; v1(115,29.5) C93.2 ; C76.2 v1(76.5,34.5) ; C22.2 113.03,61.55 v1(113.97,61.55) ; C52.2 v1(40.5,34.5) ; v1(17.5,36.6) 17.52,36.63 C13.2 ; C72.2 v1(58.5,45.5) ; C46.2 83,69.97 v1(84.12,69.97) ; C1.2 33.16,61.67 v1(34,61.67) ; v1(82,40) C74.2 ; v1(118,40) C90.2 ; 43,34.15 43.05,34.09 v1(43.05,33.23) ; v1(140,27) C25.2 ; C88.2 v1(94.5,45.5) ; v1(30.5,45.5) C63.2 ; v1(118,50.5) C94.2 ; v1(30.5,34.5) C59.2
  Bottom w1: v1(90.91,18.65) U1.1 92.3,20.03 v1(92.31,20.05) ; v1(76.98,21.29) 76.98,21.3 78.88,21.3 ; v1(80.79,21.29) 80.78,21.3 78.88,21.3 ; C4.2 v1(92.57,21.19) ; 78.88,21.3 v1(78.88,23.2)
  vias: v1(16.76,35.31) v1(25,15) v1(30,17.5) v1(30,15) v1(40,15) v1(45,17.5) v1(45,15) v1(50,20) v1(50,17.5) v1(50,15) v1(95,22.5) v1(100.35,34) v1(100.35,32.72) v1(101.75,32.8) v1(101.74,15.33) v1(102.2,39.53) v1(102.28,41.05) v1(102.25,18.5) v1(102.25,16.6) v1(103.6,40.05) v1(104.16,18.37) v1(104.16,16.47) v1(104.66,14.31) v1(105.43,17.74) v1(106.03,33.71) v1(106.7,25.61) v1(106.7,23.45) v1(106.7,22.18) v1(106.7,20.91) v1(107.33,17.74) v1(108.04,31.62) v1(107.97,25.61) v1(107.97,23.45) v1(107.97,22.18) v1(107.97,20.91) v1(107.97,19.64) v1(108.72,33.53) v1(108.88,32.4) v1(109.36,27.75) v1(110.15,29.17) v1(111.4,27.85) v1(112.12,31.8) v1(112.41,25.61) v1(112.41,23.96) v1(112.41,22.18)
/IO/BTN_0_PIN: length 31.1
  Top w0.15: v2(57.62,13.29) 56.87,14.04 52.93,14.04 50.76,11.87 v2(42.12,11.87)
  Bottom w0.15: v2(42.12,11.87) 42.12,11.87 40.6,11.87 40.39,11.66 RN19.2 ; J2.13 64.97,6.8 64.15,7.62 62.47,7.62 59.4,10.69 RN20.7 59.4,13.23 59.34,13.29 v2(57.62,13.29)
/IO/BTN_1_PIN: length 27.4
  Top w0.15: v2(57.72,12.58) 56.19,12.58 55.03,13.74 53.24,13.74 50.76,11.26 v2(42.12,11.26)
  Bottom w0.15: RN19.1 42.11,11.25 v2(42.12,11.26) ; v2(57.72,12.58) 58.55,12.58 ; RN20.8 58.6,10.48 61.45,7.62 62.01,7.62 62.84,6.8 J2.15
/IO/BTN_2_PIN: length 20.7
  Top w0.15: v2(51.62,11.05) 52.08,11.05 54.31,13.29 v2(54.52,13.29)
  Bottom w0.15: RN23.5 54.65,13.16 v2(54.52,13.29) ; v2(51.62,11.05) 51.19,10.62 45.51,10.62 45.14,11 ; J2.17 60.74,7.62 59.52,7.62 54.65,12.5
/IO/BTN_3_PIN: length 17.2
  Bottom w0.15: 45.94,11.45 46.87,12.38 50.57,12.38 51.65,13.45 53.44,13.45 53.85,13.04 RN23.6 ; 53.85,12.33 59.38,6.8
/IO/BTN_4_PIN: length 14.8
  Bottom w0.15: J2.21 53.05,11.31 RN23.7 ; 46.74,11.45 47.26,11.97 50.59,11.97 51.78,13.15 52.62,13.15 53.05,12.72
/IO/BTN_5_PIN: length 12.3
  Bottom w0.15: RN22.1 50.97,11.25 RN23.8 52.25,10.11 J2.23
/IO/DIAL0_PIN: length 59.1
  In1.Cu w0.15: J2.6 72.58,5.78 69.39,5.78 68.39,6.79 68.39,7.14 67.82,7.7 48.41,7.7 48.05,7.34 26.42,7.34 JP1.2
  Bottom w0.15: J2.6 74.39,5.62 74.39,11.8 74.97,12.38
/IO/DIAL1_PIN: length 58.1
  Top w0.15: J2.8 70.58,5.78 69.34,5.78 68.64,6.48 68.64,7.8 66.81,9.63 62.09,9.63 60.92,10.8 57.51,10.8 53.45,6.74 28.35,6.74 JP2.2
  Bottom w0.15: J2.8 72.4,5.63 72.4,10.56 74.17,12.33
/IO/DIAL2_PIN: length 50.2
  In1.Cu w0.15: JP3.2 31.2,7.04 48.54,7.04 49.61,5.97 68.39,5.97 J2.10
  Bottom w0.15: 73.37,12.33 70.39,9.35 70.39,5.62 J2.10
/IO/DIAL3_PIN: length 46.1
  In1.Cu w0.15: J2.12 66.69,5.67 49.49,5.67 48.44,6.72 46.68,6.72 46.64,6.69 46.61,6.72 33.42,6.72 JP4.2
  Bottom w0.15: J2.12 68.39,5.62 68.39,8.35 RN14.8
/IO/DIAL4_PIN: length 41
  Top w0.15: v2(66.56,9.02) 66.54,9.01 66.54,5.78 J2.14
  In2.Cu w0.15: JP5.2 36.78,7.34 48.11,7.34 48.42,7.65 61.93,7.65 62.39,7.2 62.39,6.74 63.51,5.62 64.74,5.62 J2.14
  Bottom w0.15: RN17.5 67.35,9.82 v2(66.56,9.02)
